# KiCad board button_grid.kicad_pcb
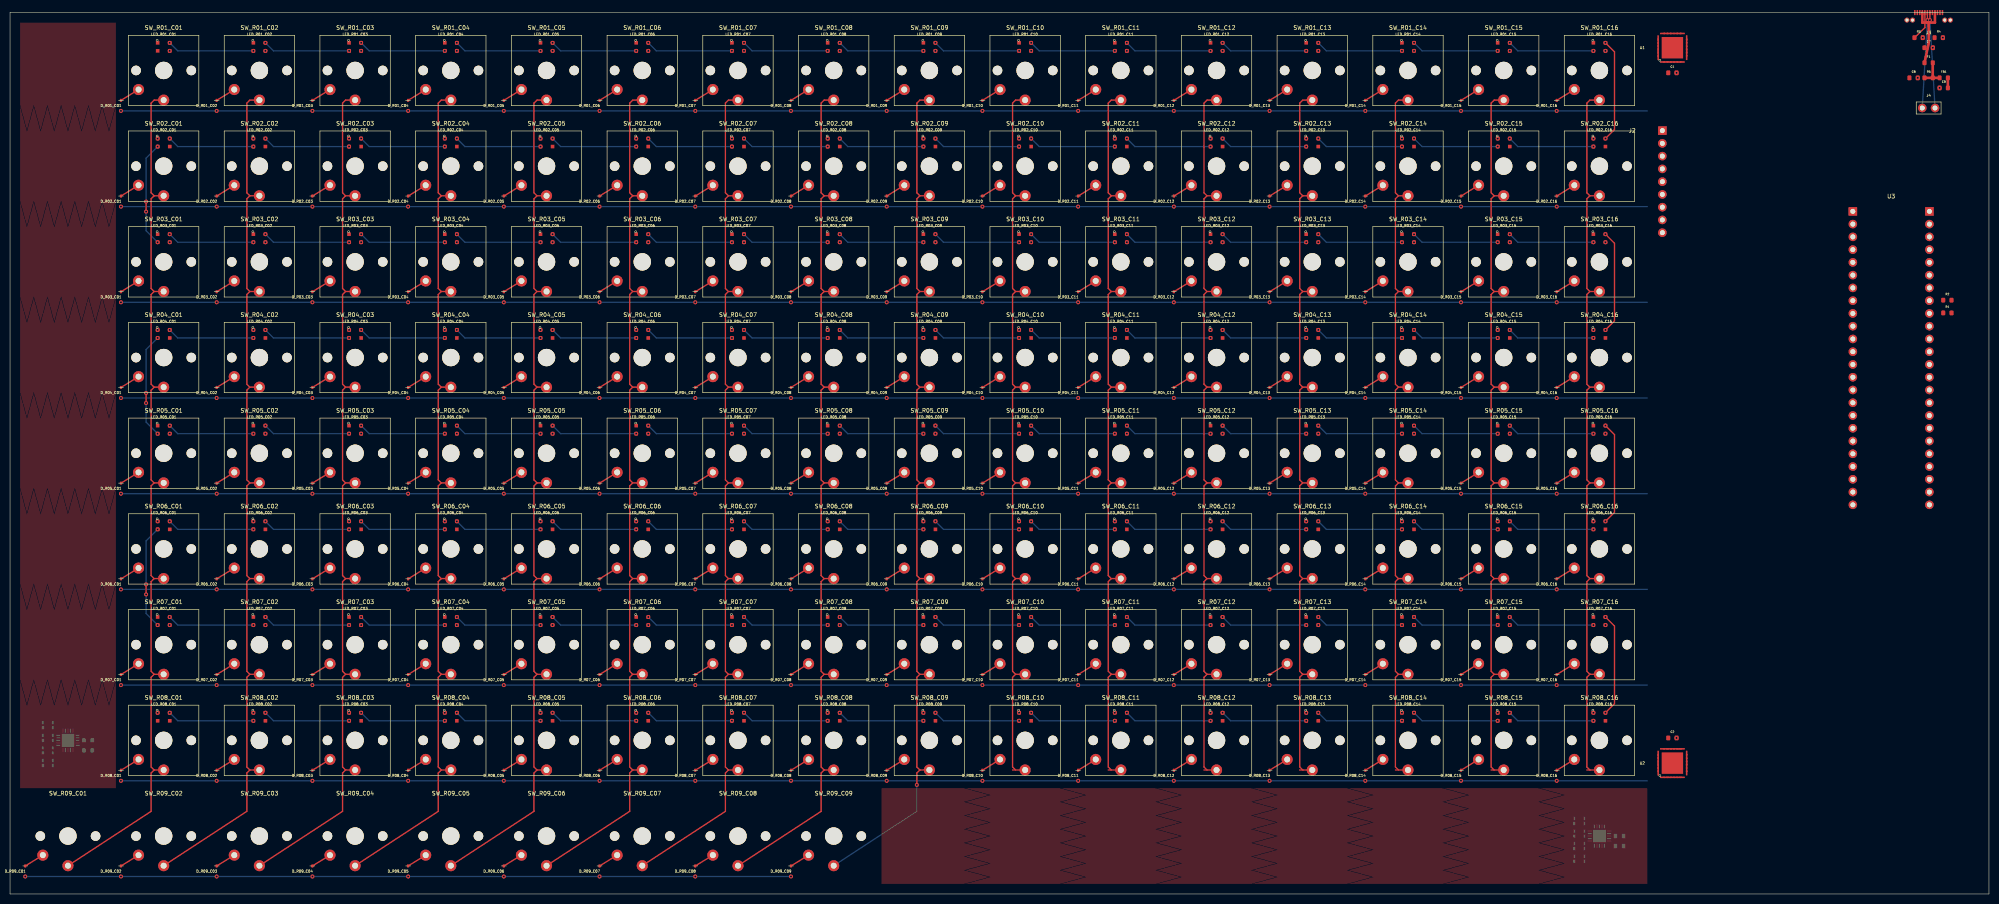
[diagram p0: board, top side]
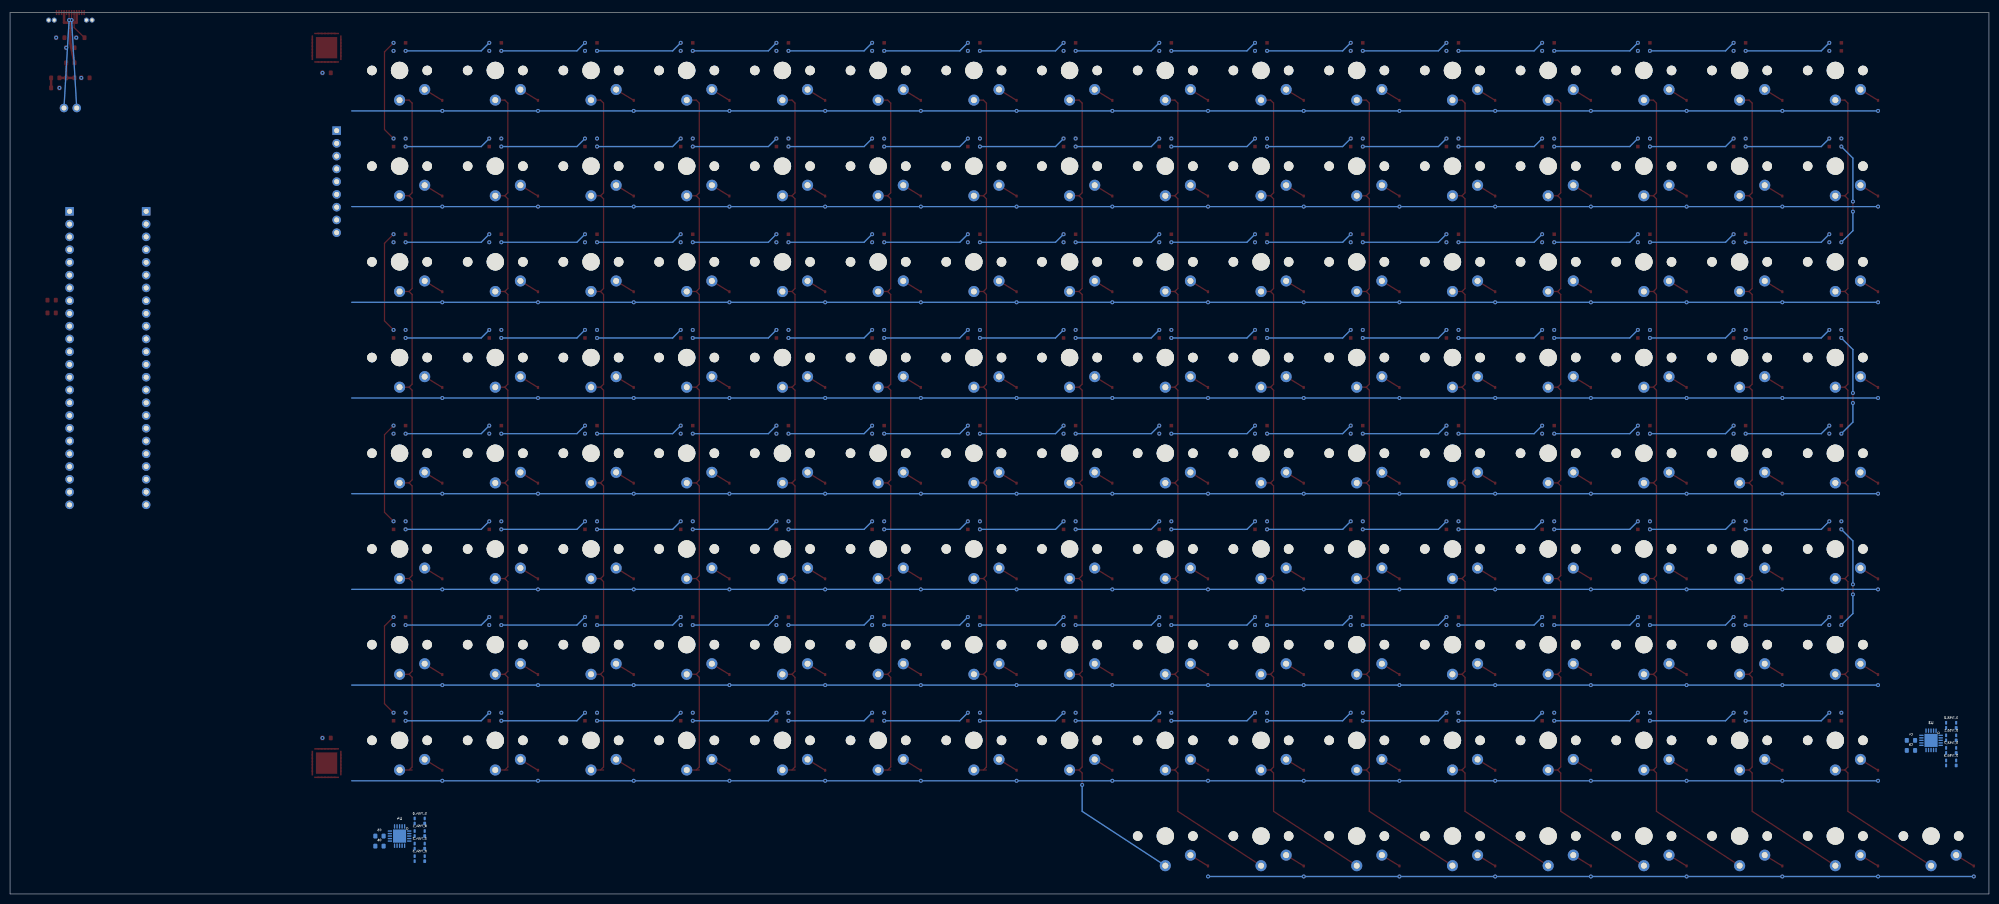
[diagram p1: board, bottom side, seen from below]

Outline 393.85 x 175.45 mm; copper layers: Top, Bottom. Coordinates in mm from the lower left corner of the outline.
Outline path: 0,175.45 393.85,175.45 393.85,0 0,0 0,175.45

## Placement (name value [footprint] x y rotation side)
C1  100nF  [C_0603]  330.85 163.45 0 top
C2  100nF  [C_0603]  330.85 31.05 0 top
C4  100nF  [C_0603]  15.53 30.57 0 bottom
C5  100nF  [C_0603]  320.32 11.52 0 bottom
C5#2  100nF  [C_0603]  15.53 28.57 0 bottom
C6  100nF  [C_0603]  320.32 9.52 0 bottom
C7  10uF  [C_0603]  381.85 168.45 0 top
C8  100uF  [C_0603]  378.85 162.45 0 top
C9  10uF  [C_0603]  384.85 160.45 0 top
D_R01_C01  1N4148W  [D_SOD-323]  22.07 156.92 0 top
D_R01_C02  1N4148W  [D_SOD-323]  41.12 156.92 0 top
D_R01_C03  1N4148W  [D_SOD-323]  60.17 156.92 0 top
D_R01_C04  1N4148W  [D_SOD-323]  79.22 156.92 0 top
D_R01_C05  1N4148W  [D_SOD-323]  98.28 156.92 0 top
D_R01_C06  1N4148W  [D_SOD-323]  117.33 156.92 0 top
D_R01_C07  1N4148W  [D_SOD-323]  136.38 156.92 0 top
D_R01_C08  1N4148W  [D_SOD-323]  155.43 156.92 0 top
D_R01_C09  1N4148W  [D_SOD-323]  174.47 156.92 0 top
D_R01_C10  1N4148W  [D_SOD-323]  193.53 156.92 0 top
D_R01_C11  1N4148W  [D_SOD-323]  212.57 156.92 0 top
D_R01_C12  1N4148W  [D_SOD-323]  231.62 156.92 0 top
D_R01_C13  1N4148W  [D_SOD-323]  250.68 156.92 0 top
D_R01_C14  1N4148W  [D_SOD-323]  269.73 156.92 0 top
D_R01_C15  1N4148W  [D_SOD-323]  288.77 156.92 0 top
D_R01_C16  1N4148W  [D_SOD-323]  307.82 156.92 0 top
D_R02_C01  1N4148W  [D_SOD-323]  22.07 137.88 0 top
D_R02_C02  1N4148W  [D_SOD-323]  41.12 137.88 0 top
D_R02_C03  1N4148W  [D_SOD-323]  60.17 137.88 0 top
D_R02_C04  1N4148W  [D_SOD-323]  79.22 137.88 0 top
D_R02_C05  1N4148W  [D_SOD-323]  98.28 137.88 0 top
D_R02_C06  1N4148W  [D_SOD-323]  117.33 137.88 0 top
D_R02_C07  1N4148W  [D_SOD-323]  136.38 137.88 0 top
D_R02_C08  1N4148W  [D_SOD-323]  155.43 137.88 0 top
D_R02_C09  1N4148W  [D_SOD-323]  174.47 137.88 0 top
D_R02_C10  1N4148W  [D_SOD-323]  193.53 137.88 0 top
D_R02_C11  1N4148W  [D_SOD-323]  212.57 137.88 0 top
D_R02_C12  1N4148W  [D_SOD-323]  231.62 137.88 0 top
D_R02_C13  1N4148W  [D_SOD-323]  250.68 137.88 0 top
D_R02_C14  1N4148W  [D_SOD-323]  269.73 137.88 0 top
D_R02_C15  1N4148W  [D_SOD-323]  288.77 137.88 0 top
D_R02_C16  1N4148W  [D_SOD-323]  307.82 137.88 0 top
D_R03_C01  1N4148W  [D_SOD-323]  22.07 118.82 0 top
D_R03_C02  1N4148W  [D_SOD-323]  41.12 118.82 0 top
D_R03_C03  1N4148W  [D_SOD-323]  60.17 118.82 0 top
D_R03_C04  1N4148W  [D_SOD-323]  79.22 118.82 0 top
D_R03_C05  1N4148W  [D_SOD-323]  98.28 118.82 0 top
D_R03_C06  1N4148W  [D_SOD-323]  117.33 118.82 0 top
D_R03_C07  1N4148W  [D_SOD-323]  136.38 118.82 0 top
D_R03_C08  1N4148W  [D_SOD-323]  155.43 118.82 0 top
D_R03_C09  1N4148W  [D_SOD-323]  174.47 118.82 0 top
D_R03_C10  1N4148W  [D_SOD-323]  193.53 118.82 0 top
D_R03_C11  1N4148W  [D_SOD-323]  212.57 118.82 0 top
D_R03_C12  1N4148W  [D_SOD-323]  231.62 118.82 0 top
D_R03_C13  1N4148W  [D_SOD-323]  250.68 118.82 0 top
D_R03_C14  1N4148W  [D_SOD-323]  269.73 118.82 0 top
D_R03_C15  1N4148W  [D_SOD-323]  288.77 118.82 0 top
D_R03_C16  1N4148W  [D_SOD-323]  307.82 118.82 0 top
D_R04_C01  1N4148W  [D_SOD-323]  22.07 99.77 0 top
D_R04_C02  1N4148W  [D_SOD-323]  41.12 99.77 0 top
D_R04_C03  1N4148W  [D_SOD-323]  60.17 99.77 0 top
D_R04_C04  1N4148W  [D_SOD-323]  79.22 99.77 0 top
D_R04_C05  1N4148W  [D_SOD-323]  98.28 99.77 0 top
D_R04_C06  1N4148W  [D_SOD-323]  117.33 99.77 0 top
D_R04_C07  1N4148W  [D_SOD-323]  136.38 99.77 0 top
D_R04_C08  1N4148W  [D_SOD-323]  155.43 99.77 0 top
D_R04_C09  1N4148W  [D_SOD-323]  174.47 99.77 0 top
D_R04_C10  1N4148W  [D_SOD-323]  193.53 99.77 0 top
D_R04_C11  1N4148W  [D_SOD-323]  212.57 99.77 0 top
D_R04_C12  1N4148W  [D_SOD-323]  231.62 99.77 0 top
D_R04_C13  1N4148W  [D_SOD-323]  250.68 99.77 0 top
D_R04_C14  1N4148W  [D_SOD-323]  269.73 99.77 0 top
D_R04_C15  1N4148W  [D_SOD-323]  288.77 99.77 0 top
D_R04_C16  1N4148W  [D_SOD-323]  307.82 99.77 0 top
D_R05_C01  1N4148W  [D_SOD-323]  22.07 80.72 0 top
D_R05_C02  1N4148W  [D_SOD-323]  41.12 80.72 0 top
D_R05_C03  1N4148W  [D_SOD-323]  60.17 80.72 0 top
D_R05_C04  1N4148W  [D_SOD-323]  79.22 80.72 0 top
D_R05_C05  1N4148W  [D_SOD-323]  98.28 80.72 0 top
D_R05_C06  1N4148W  [D_SOD-323]  117.33 80.72 0 top
D_R05_C07  1N4148W  [D_SOD-323]  136.38 80.72 0 top
D_R05_C08  1N4148W  [D_SOD-323]  155.43 80.72 0 top
D_R05_C09  1N4148W  [D_SOD-323]  174.47 80.72 0 top
D_R05_C10  1N4148W  [D_SOD-323]  193.53 80.72 0 top
D_R05_C11  1N4148W  [D_SOD-323]  212.57 80.72 0 top
D_R05_C12  1N4148W  [D_SOD-323]  231.62 80.72 0 top
D_R05_C13  1N4148W  [D_SOD-323]  250.68 80.72 0 top
D_R05_C14  1N4148W  [D_SOD-323]  269.73 80.72 0 top
D_R05_C15  1N4148W  [D_SOD-323]  288.77 80.72 0 top
D_R05_C16  1N4148W  [D_SOD-323]  307.82 80.72 0 top
D_R06_C01  1N4148W  [D_SOD-323]  22.07 61.67 0 top
D_R06_C02  1N4148W  [D_SOD-323]  41.12 61.67 0 top
D_R06_C03  1N4148W  [D_SOD-323]  60.17 61.67 0 top
D_R06_C04  1N4148W  [D_SOD-323]  79.22 61.67 0 top
D_R06_C05  1N4148W  [D_SOD-323]  98.28 61.67 0 top
D_R06_C06  1N4148W  [D_SOD-323]  117.33 61.67 0 top
D_R06_C07  1N4148W  [D_SOD-323]  136.38 61.67 0 top
D_R06_C08  1N4148W  [D_SOD-323]  155.43 61.67 0 top
D_R06_C09  1N4148W  [D_SOD-323]  174.47 61.67 0 top
D_R06_C10  1N4148W  [D_SOD-323]  193.53 61.67 0 top
D_R06_C11  1N4148W  [D_SOD-323]  212.57 61.67 0 top
D_R06_C12  1N4148W  [D_SOD-323]  231.62 61.67 0 top
D_R06_C13  1N4148W  [D_SOD-323]  250.68 61.67 0 top
D_R06_C14  1N4148W  [D_SOD-323]  269.73 61.67 0 top
D_R06_C15  1N4148W  [D_SOD-323]  288.77 61.67 0 top
D_R06_C16  1N4148W  [D_SOD-323]  307.82 61.67 0 top
D_R07_C01  1N4148W  [D_SOD-323]  22.07 42.62 0 top
D_R07_C02  1N4148W  [D_SOD-323]  41.12 42.62 0 top
D_R07_C03  1N4148W  [D_SOD-323]  60.17 42.62 0 top
D_R07_C04  1N4148W  [D_SOD-323]  79.22 42.62 0 top
D_R07_C05  1N4148W  [D_SOD-323]  98.28 42.62 0 top
D_R07_C06  1N4148W  [D_SOD-323]  117.33 42.62 0 top
D_R07_C07  1N4148W  [D_SOD-323]  136.38 42.62 0 top
D_R07_C08  1N4148W  [D_SOD-323]  155.43 42.62 0 top
D_R07_C09  1N4148W  [D_SOD-323]  174.47 42.62 0 top
D_R07_C10  1N4148W  [D_SOD-323]  193.53 42.62 0 top
D_R07_C11  1N4148W  [D_SOD-323]  212.57 42.62 0 top
D_R07_C12  1N4148W  [D_SOD-323]  231.62 42.62 0 top
D_R07_C13  1N4148W  [D_SOD-323]  250.68 42.62 0 top
D_R07_C14  1N4148W  [D_SOD-323]  269.73 42.62 0 top
D_R07_C15  1N4148W  [D_SOD-323]  288.77 42.62 0 top
D_R07_C16  1N4148W  [D_SOD-323]  307.82 42.62 0 top
D_R08_C01  1N4148W  [D_SOD-323]  22.07 23.57 0 top
D_R08_C02  1N4148W  [D_SOD-323]  41.12 23.57 0 top
D_R08_C03  1N4148W  [D_SOD-323]  60.17 23.57 0 top
D_R08_C04  1N4148W  [D_SOD-323]  79.22 23.57 0 top
D_R08_C05  1N4148W  [D_SOD-323]  98.28 23.57 0 top
D_R08_C06  1N4148W  [D_SOD-323]  117.33 23.57 0 top
D_R08_C07  1N4148W  [D_SOD-323]  136.38 23.57 0 top
D_R08_C08  1N4148W  [D_SOD-323]  155.43 23.57 0 top
D_R08_C09  1N4148W  [D_SOD-323]  174.47 23.57 0 top
D_R08_C10  1N4148W  [D_SOD-323]  193.53 23.57 0 top
D_R08_C11  1N4148W  [D_SOD-323]  212.57 23.57 0 top
D_R08_C12  1N4148W  [D_SOD-323]  231.62 23.57 0 top
D_R08_C13  1N4148W  [D_SOD-323]  250.68 23.57 0 top
D_R08_C14  1N4148W  [D_SOD-323]  269.73 23.57 0 top
D_R08_C15  1N4148W  [D_SOD-323]  288.77 23.57 0 top
D_R08_C16  1N4148W  [D_SOD-323]  307.82 23.57 0 top
D_R09_C01  -  [D_SOD-323]  3.02 4.52 0 top
D_R09_C02  -  [D_SOD-323]  22.07 4.52 0 top
D_R09_C03  -  [D_SOD-323]  41.12 4.52 0 top
D_R09_C04  -  [D_SOD-323]  60.17 4.52 0 top
D_R09_C05  -  [D_SOD-323]  79.22 4.52 0 top
D_R09_C06  -  [D_SOD-323]  98.28 4.52 0 top
D_R09_C07  -  [D_SOD-323]  117.33 4.52 0 top
D_R09_C08  -  [D_SOD-323]  136.38 4.52 0 top
D_R09_C09  -  [D_SOD-323]  155.43 4.52 0 top
D_TVS3_0  PRTR5V0U2X  [PRTR5V0U2X_SOT-143B]  7.53 33.57 0 bottom
D_TVS3_1  PRTR5V0U2X  [PRTR5V0U2X_SOT-143B]  7.53 31.07 0 bottom
D_TVS3_2  PRTR5V0U2X  [PRTR5V0U2X_SOT-143B]  7.53 28.57 0 bottom
D_TVS3_3  PRTR5V0U2X  [PRTR5V0U2X_SOT-143B]  7.53 26.07 0 bottom
D_TVS4_0  PRTR5V0U2X  [PRTR5V0U2X_SOT-143B]  312.32 14.52 0 bottom
D_TVS4_1  PRTR5V0U2X  [PRTR5V0U2X_SOT-143B]  312.32 12.02 0 bottom
D_TVS4_2  PRTR5V0U2X  [PRTR5V0U2X_SOT-143B]  312.32 9.52 0 bottom
D_TVS4_3  PRTR5V0U2X  [PRTR5V0U2X_SOT-143B]  312.32 7.02 0 bottom
F1  2A PTC  [R_0603]  381.85 165.45 0 top
FB1  600R@100MHz  [R_0603]  384.85 162.45 0 top
J2  TFT 2.4in  [ILI9341_2.4inch]  328.85 151.95 0 top
J3  USB-C  [USB_C_Mid_Mount]  381.85 175.45 0 top
J4  USB D+/D-  [USB_Dev_Pads]  381.85 156.45 0 top
LED_R01_C01  SK6812MINI-E  [SK6812MINI-E#2]  30.57 168.62 0 top
LED_R01_C02  SK6812MINI-E  [SK6812MINI-E#2]  49.62 168.62 0 top
LED_R01_C03  SK6812MINI-E  [SK6812MINI-E#2]  68.67 168.62 0 top
LED_R01_C04  SK6812MINI-E  [SK6812MINI-E#2]  87.72 168.62 0 top
LED_R01_C05  SK6812MINI-E  [SK6812MINI-E#2]  106.78 168.62 0 top
LED_R01_C06  SK6812MINI-E  [SK6812MINI-E#2]  125.83 168.62 0 top
LED_R01_C07  SK6812MINI-E  [SK6812MINI-E#2]  144.88 168.62 0 top
LED_R01_C08  SK6812MINI-E  [SK6812MINI-E#2]  163.93 168.62 0 top
LED_R01_C09  SK6812MINI-E  [SK6812MINI-E#2]  182.97 168.62 0 top
LED_R01_C10  SK6812MINI-E  [SK6812MINI-E#2]  202.03 168.62 0 top
LED_R01_C11  SK6812MINI-E  [SK6812MINI-E#2]  221.07 168.62 0 top
LED_R01_C12  SK6812MINI-E  [SK6812MINI-E#2]  240.12 168.62 0 top
LED_R01_C13  SK6812MINI-E  [SK6812MINI-E#2]  259.18 168.62 0 top
LED_R01_C14  SK6812MINI-E  [SK6812MINI-E#2]  278.23 168.62 0 top
LED_R01_C15  SK6812MINI-E  [SK6812MINI-E#2]  297.27 168.62 0 top
LED_R01_C16  SK6812MINI-E  [SK6812MINI-E#2]  316.32 168.62 0 top
LED_R02_C01  -  [SK6812MINI-E]  30.57 149.57 0 top
LED_R02_C02  -  [SK6812MINI-E]  49.62 149.57 0 top
LED_R02_C03  -  [SK6812MINI-E]  68.67 149.57 0 top
LED_R02_C04  -  [SK6812MINI-E]  87.72 149.57 0 top
LED_R02_C05  -  [SK6812MINI-E]  106.78 149.57 0 top
LED_R02_C06  -  [SK6812MINI-E]  125.83 149.57 0 top
LED_R02_C07  -  [SK6812MINI-E]  144.88 149.57 0 top
LED_R02_C08  -  [SK6812MINI-E]  163.93 149.57 0 top
LED_R02_C09  -  [SK6812MINI-E]  182.97 149.57 0 top
LED_R02_C10  -  [SK6812MINI-E]  202.03 149.57 0 top
LED_R02_C11  -  [SK6812MINI-E]  221.07 149.57 0 top
LED_R02_C12  -  [SK6812MINI-E]  240.12 149.57 0 top
LED_R02_C13  -  [SK6812MINI-E]  259.18 149.57 0 top
LED_R02_C14  -  [SK6812MINI-E]  278.23 149.57 0 top
LED_R02_C15  -  [SK6812MINI-E]  297.27 149.57 0 top
LED_R02_C16  -  [SK6812MINI-E]  316.32 149.57 0 top
LED_R03_C01  SK6812MINI-E  [SK6812MINI-E#2]  30.57 130.52 0 top
LED_R03_C02  SK6812MINI-E  [SK6812MINI-E#2]  49.62 130.52 0 top
LED_R03_C03  SK6812MINI-E  [SK6812MINI-E#2]  68.67 130.52 0 top
LED_R03_C04  SK6812MINI-E  [SK6812MINI-E#2]  87.72 130.52 0 top
LED_R03_C05  SK6812MINI-E  [SK6812MINI-E#2]  106.78 130.52 0 top
LED_R03_C06  SK6812MINI-E  [SK6812MINI-E#2]  125.83 130.52 0 top
LED_R03_C07  SK6812MINI-E  [SK6812MINI-E#2]  144.88 130.52 0 top
LED_R03_C08  SK6812MINI-E  [SK6812MINI-E#2]  163.93 130.52 0 top
LED_R03_C09  SK6812MINI-E  [SK6812MINI-E#2]  182.97 130.52 0 top
LED_R03_C10  SK6812MINI-E  [SK6812MINI-E#2]  202.03 130.52 0 top
LED_R03_C11  SK6812MINI-E  [SK6812MINI-E#2]  221.07 130.52 0 top
LED_R03_C12  SK6812MINI-E  [SK6812MINI-E#2]  240.12 130.52 0 top
LED_R03_C13  SK6812MINI-E  [SK6812MINI-E#2]  259.18 130.52 0 top
LED_R03_C14  SK6812MINI-E  [SK6812MINI-E#2]  278.23 130.52 0 top
LED_R03_C15  SK6812MINI-E  [SK6812MINI-E#2]  297.27 130.52 0 top
LED_R03_C16  SK6812MINI-E  [SK6812MINI-E#2]  316.32 130.52 0 top
LED_R04_C01  -  [SK6812MINI-E]  30.57 111.47 0 top
LED_R04_C02  -  [SK6812MINI-E]  49.62 111.47 0 top
LED_R04_C03  -  [SK6812MINI-E]  68.67 111.47 0 top
LED_R04_C04  -  [SK6812MINI-E]  87.72 111.47 0 top
LED_R04_C05  -  [SK6812MINI-E]  106.78 111.47 0 top
LED_R04_C06  -  [SK6812MINI-E]  125.83 111.47 0 top
LED_R04_C07  -  [SK6812MINI-E]  144.88 111.47 0 top
LED_R04_C08  -  [SK6812MINI-E]  163.93 111.47 0 top
LED_R04_C09  -  [SK6812MINI-E]  182.97 111.47 0 top
LED_R04_C10  -  [SK6812MINI-E]  202.03 111.47 0 top
LED_R04_C11  -  [SK6812MINI-E]  221.07 111.47 0 top
LED_R04_C12  -  [SK6812MINI-E]  240.12 111.47 0 top
LED_R04_C13  -  [SK6812MINI-E]  259.18 111.47 0 top
LED_R04_C14  -  [SK6812MINI-E]  278.23 111.47 0 top
LED_R04_C15  -  [SK6812MINI-E]  297.27 111.47 0 top
LED_R04_C16  -  [SK6812MINI-E]  316.32 111.47 0 top
LED_R05_C01  SK6812MINI-E  [SK6812MINI-E#2]  30.57 92.42 0 top
LED_R05_C02  SK6812MINI-E  [SK6812MINI-E#2]  49.62 92.42 0 top
LED_R05_C03  SK6812MINI-E  [SK6812MINI-E#2]  68.67 92.42 0 top
LED_R05_C04  SK6812MINI-E  [SK6812MINI-E#2]  87.72 92.42 0 top
LED_R05_C05  SK6812MINI-E  [SK6812MINI-E#2]  106.78 92.42 0 top
LED_R05_C06  SK6812MINI-E  [SK6812MINI-E#2]  125.83 92.42 0 top
LED_R05_C07  SK6812MINI-E  [SK6812MINI-E#2]  144.88 92.42 0 top
LED_R05_C08  SK6812MINI-E  [SK6812MINI-E#2]  163.93 92.42 0 top
LED_R05_C09  SK6812MINI-E  [SK6812MINI-E#2]  182.97 92.42 0 top
LED_R05_C10  SK6812MINI-E  [SK6812MINI-E#2]  202.03 92.42 0 top
LED_R05_C11  SK6812MINI-E  [SK6812MINI-E#2]  221.07 92.42 0 top
LED_R05_C12  SK6812MINI-E  [SK6812MINI-E#2]  240.12 92.42 0 top
LED_R05_C13  SK6812MINI-E  [SK6812MINI-E#2]  259.18 92.42 0 top
LED_R05_C14  SK6812MINI-E  [SK6812MINI-E#2]  278.23 92.42 0 top
LED_R05_C15  SK6812MINI-E  [SK6812MINI-E#2]  297.27 92.42 0 top
LED_R05_C16  SK6812MINI-E  [SK6812MINI-E#2]  316.32 92.42 0 top
LED_R06_C01  -  [SK6812MINI-E]  30.57 73.37 0 top
LED_R06_C02  -  [SK6812MINI-E]  49.62 73.37 0 top
LED_R06_C03  -  [SK6812MINI-E]  68.67 73.37 0 top
LED_R06_C04  -  [SK6812MINI-E]  87.72 73.37 0 top
LED_R06_C05  -  [SK6812MINI-E]  106.78 73.37 0 top
LED_R06_C06  -  [SK6812MINI-E]  125.83 73.37 0 top
LED_R06_C07  -  [SK6812MINI-E]  144.88 73.37 0 top
LED_R06_C08  -  [SK6812MINI-E]  163.93 73.37 0 top
LED_R06_C09  -  [SK6812MINI-E]  182.97 73.37 0 top
LED_R06_C10  -  [SK6812MINI-E]  202.03 73.37 0 top
LED_R06_C11  -  [SK6812MINI-E]  221.07 73.37 0 top
LED_R06_C12  -  [SK6812MINI-E]  240.12 73.37 0 top
LED_R06_C13  -  [SK6812MINI-E]  259.18 73.37 0 top
LED_R06_C14  -  [SK6812MINI-E]  278.23 73.37 0 top
LED_R06_C15  -  [SK6812MINI-E]  297.27 73.37 0 top
LED_R06_C16  -  [SK6812MINI-E]  316.32 73.37 0 top
LED_R07_C01  SK6812MINI-E  [SK6812MINI-E#2]  30.57 54.32 0 top
LED_R07_C02  SK6812MINI-E  [SK6812MINI-E#2]  49.62 54.32 0 top
LED_R07_C03  SK6812MINI-E  [SK6812MINI-E#2]  68.67 54.32 0 top
LED_R07_C04  SK6812MINI-E  [SK6812MINI-E#2]  87.72 54.32 0 top
LED_R07_C05  SK6812MINI-E  [SK6812MINI-E#2]  106.78 54.32 0 top
LED_R07_C06  SK6812MINI-E  [SK6812MINI-E#2]  125.83 54.32 0 top
LED_R07_C07  SK6812MINI-E  [SK6812MINI-E#2]  144.88 54.32 0 top
LED_R07_C08  SK6812MINI-E  [SK6812MINI-E#2]  163.93 54.32 0 top
LED_R07_C09  SK6812MINI-E  [SK6812MINI-E#2]  182.97 54.32 0 top
LED_R07_C10  SK6812MINI-E  [SK6812MINI-E#2]  202.03 54.32 0 top
LED_R07_C11  SK6812MINI-E  [SK6812MINI-E#2]  221.07 54.32 0 top
LED_R07_C12  SK6812MINI-E  [SK6812MINI-E#2]  240.12 54.32 0 top
LED_R07_C13  SK6812MINI-E  [SK6812MINI-E#2]  259.18 54.32 0 top
LED_R07_C14  SK6812MINI-E  [SK6812MINI-E#2]  278.23 54.32 0 top
LED_R07_C15  SK6812MINI-E  [SK6812MINI-E#2]  297.27 54.32 0 top
LED_R07_C16  SK6812MINI-E  [SK6812MINI-E#2]  316.32 54.32 0 top
LED_R08_C01  -  [SK6812MINI-E]  30.57 35.27 0 top
LED_R08_C02  -  [SK6812MINI-E]  49.62 35.27 0 top
LED_R08_C03  -  [SK6812MINI-E]  68.67 35.27 0 top
LED_R08_C04  -  [SK6812MINI-E]  87.72 35.27 0 top
LED_R08_C05  -  [SK6812MINI-E]  106.78 35.27 0 top
LED_R08_C06  -  [SK6812MINI-E]  125.83 35.27 0 top
LED_R08_C07  -  [SK6812MINI-E]  144.88 35.27 0 top
LED_R08_C08  -  [SK6812MINI-E]  163.93 35.27 0 top
LED_R08_C09  -  [SK6812MINI-E]  182.97 35.27 0 top
LED_R08_C10  -  [SK6812MINI-E]  202.03 35.27 0 top
LED_R08_C11  -  [SK6812MINI-E]  221.07 35.27 0 top
LED_R08_C12  -  [SK6812MINI-E]  240.12 35.27 0 top
LED_R08_C13  -  [SK6812MINI-E]  259.18 35.27 0 top
LED_R08_C14  -  [SK6812MINI-E]  278.23 35.27 0 top
LED_R08_C15  -  [SK6812MINI-E]  297.27 35.27 0 top
LED_R08_C16  -  [SK6812MINI-E]  316.32 35.27 0 top
R1  4.7k  [R_0603]  385.57 115.66 0 top
R2  4.7k  [R_0603]  385.57 118.2 0 top
R3  5.1k  [R_0603]  379.85 170.45 0 top
R4  5.1k  [R_0603]  383.85 170.45 0 top
R5  0R  [R_0603]  381.85 162.45 0 top
SW_R01_C01  PG1350  [Kailh_Choc_V1]  30.57 163.92 0 top
SW_R01_C02  PG1350  [Kailh_Choc_V1]  49.62 163.92 0 top
SW_R01_C03  PG1350  [Kailh_Choc_V1]  68.67 163.92 0 top
SW_R01_C04  PG1350  [Kailh_Choc_V1]  87.72 163.92 0 top
SW_R01_C05  PG1350  [Kailh_Choc_V1]  106.78 163.92 0 top
SW_R01_C06  PG1350  [Kailh_Choc_V1]  125.83 163.92 0 top
SW_R01_C07  PG1350  [Kailh_Choc_V1]  144.88 163.92 0 top
SW_R01_C08  PG1350  [Kailh_Choc_V1]  163.93 163.92 0 top
SW_R01_C09  PG1350  [Kailh_Choc_V1]  182.97 163.92 0 top
SW_R01_C10  PG1350  [Kailh_Choc_V1]  202.03 163.92 0 top
SW_R01_C11  PG1350  [Kailh_Choc_V1]  221.07 163.92 0 top
SW_R01_C12  PG1350  [Kailh_Choc_V1]  240.12 163.92 0 top
SW_R01_C13  PG1350  [Kailh_Choc_V1]  259.18 163.92 0 top
SW_R01_C14  PG1350  [Kailh_Choc_V1]  278.23 163.92 0 top
SW_R01_C15  PG1350  [Kailh_Choc_V1]  297.27 163.92 0 top
SW_R01_C16  PG1350  [Kailh_Choc_V1]  316.32 163.92 0 top
SW_R02_C01  PG1350  [Kailh_Choc_V1]  30.57 144.88 0 top
SW_R02_C02  PG1350  [Kailh_Choc_V1]  49.62 144.88 0 top
SW_R02_C03  PG1350  [Kailh_Choc_V1]  68.67 144.88 0 top
SW_R02_C04  PG1350  [Kailh_Choc_V1]  87.72 144.88 0 top
SW_R02_C05  PG1350  [Kailh_Choc_V1]  106.78 144.88 0 top
SW_R02_C06  PG1350  [Kailh_Choc_V1]  125.83 144.88 0 top
SW_R02_C07  PG1350  [Kailh_Choc_V1]  144.88 144.88 0 top
SW_R02_C08  PG1350  [Kailh_Choc_V1]  163.93 144.88 0 top
SW_R02_C09  PG1350  [Kailh_Choc_V1]  182.97 144.88 0 top
SW_R02_C10  PG1350  [Kailh_Choc_V1]  202.03 144.88 0 top
SW_R02_C11  PG1350  [Kailh_Choc_V1]  221.07 144.88 0 top
SW_R02_C12  PG1350  [Kailh_Choc_V1]  240.12 144.88 0 top
SW_R02_C13  PG1350  [Kailh_Choc_V1]  259.18 144.88 0 top
SW_R02_C14  PG1350  [Kailh_Choc_V1]  278.23 144.88 0 top
SW_R02_C15  PG1350  [Kailh_Choc_V1]  297.27 144.88 0 top
SW_R02_C16  PG1350  [Kailh_Choc_V1]  316.32 144.88 0 top
SW_R03_C01  PG1350  [Kailh_Choc_V1]  30.57 125.82 0 top
SW_R03_C02  PG1350  [Kailh_Choc_V1]  49.62 125.82 0 top
SW_R03_C03  PG1350  [Kailh_Choc_V1]  68.67 125.82 0 top
SW_R03_C04  PG1350  [Kailh_Choc_V1]  87.72 125.82 0 top
SW_R03_C05  PG1350  [Kailh_Choc_V1]  106.78 125.82 0 top
SW_R03_C06  PG1350  [Kailh_Choc_V1]  125.83 125.82 0 top
SW_R03_C07  PG1350  [Kailh_Choc_V1]  144.88 125.82 0 top
SW_R03_C08  PG1350  [Kailh_Choc_V1]  163.93 125.82 0 top
SW_R03_C09  PG1350  [Kailh_Choc_V1]  182.97 125.82 0 top
SW_R03_C10  PG1350  [Kailh_Choc_V1]  202.03 125.82 0 top
SW_R03_C11  PG1350  [Kailh_Choc_V1]  221.07 125.82 0 top
SW_R03_C12  PG1350  [Kailh_Choc_V1]  240.12 125.82 0 top
SW_R03_C13  PG1350  [Kailh_Choc_V1]  259.18 125.82 0 top
SW_R03_C14  PG1350  [Kailh_Choc_V1]  278.23 125.82 0 top
SW_R03_C15  PG1350  [Kailh_Choc_V1]  297.27 125.82 0 top
SW_R03_C16  PG1350  [Kailh_Choc_V1]  316.32 125.82 0 top
SW_R04_C01  PG1350  [Kailh_Choc_V1]  30.57 106.77 0 top
SW_R04_C02  PG1350  [Kailh_Choc_V1]  49.62 106.77 0 top
SW_R04_C03  PG1350  [Kailh_Choc_V1]  68.67 106.77 0 top
SW_R04_C04  PG1350  [Kailh_Choc_V1]  87.72 106.77 0 top
SW_R04_C05  PG1350  [Kailh_Choc_V1]  106.78 106.77 0 top
SW_R04_C06  PG1350  [Kailh_Choc_V1]  125.83 106.77 0 top
SW_R04_C07  PG1350  [Kailh_Choc_V1]  144.88 106.77 0 top
SW_R04_C08  PG1350  [Kailh_Choc_V1]  163.93 106.77 0 top
SW_R04_C09  PG1350  [Kailh_Choc_V1]  182.97 106.77 0 top
SW_R04_C10  PG1350  [Kailh_Choc_V1]  202.03 106.77 0 top
SW_R04_C11  PG1350  [Kailh_Choc_V1]  221.07 106.77 0 top
SW_R04_C12  PG1350  [Kailh_Choc_V1]  240.12 106.77 0 top
SW_R04_C13  PG1350  [Kailh_Choc_V1]  259.18 106.77 0 top
SW_R04_C14  PG1350  [Kailh_Choc_V1]  278.23 106.77 0 top
SW_R04_C15  PG1350  [Kailh_Choc_V1]  297.27 106.77 0 top
SW_R04_C16  PG1350  [Kailh_Choc_V1]  316.32 106.77 0 top
SW_R05_C01  PG1350  [Kailh_Choc_V1]  30.57 87.72 0 top
SW_R05_C02  PG1350  [Kailh_Choc_V1]  49.62 87.72 0 top
SW_R05_C03  PG1350  [Kailh_Choc_V1]  68.67 87.72 0 top
SW_R05_C04  PG1350  [Kailh_Choc_V1]  87.72 87.72 0 top
SW_R05_C05  PG1350  [Kailh_Choc_V1]  106.78 87.72 0 top
SW_R05_C06  PG1350  [Kailh_Choc_V1]  125.83 87.72 0 top
SW_R05_C07  PG1350  [Kailh_Choc_V1]  144.88 87.72 0 top
SW_R05_C08  PG1350  [Kailh_Choc_V1]  163.93 87.72 0 top
SW_R05_C09  PG1350  [Kailh_Choc_V1]  182.97 87.72 0 top
SW_R05_C10  PG1350  [Kailh_Choc_V1]  202.03 87.72 0 top
SW_R05_C11  PG1350  [Kailh_Choc_V1]  221.07 87.72 0 top
SW_R05_C12  PG1350  [Kailh_Choc_V1]  240.12 87.72 0 top
SW_R05_C13  PG1350  [Kailh_Choc_V1]  259.18 87.72 0 top
SW_R05_C14  PG1350  [Kailh_Choc_V1]  278.23 87.72 0 top
SW_R05_C15  PG1350  [Kailh_Choc_V1]  297.27 87.72 0 top
SW_R05_C16  PG1350  [Kailh_Choc_V1]  316.32 87.72 0 top
SW_R06_C01  PG1350  [Kailh_Choc_V1]  30.57 68.67 0 top
SW_R06_C02  PG1350  [Kailh_Choc_V1]  49.62 68.67 0 top
SW_R06_C03  PG1350  [Kailh_Choc_V1]  68.67 68.67 0 top
SW_R06_C04  PG1350  [Kailh_Choc_V1]  87.72 68.67 0 top
SW_R06_C05  PG1350  [Kailh_Choc_V1]  106.78 68.67 0 top
SW_R06_C06  PG1350  [Kailh_Choc_V1]  125.83 68.67 0 top
SW_R06_C07  PG1350  [Kailh_Choc_V1]  144.88 68.67 0 top
SW_R06_C08  PG1350  [Kailh_Choc_V1]  163.93 68.67 0 top
SW_R06_C09  PG1350  [Kailh_Choc_V1]  182.97 68.67 0 top
SW_R06_C10  PG1350  [Kailh_Choc_V1]  202.03 68.67 0 top
SW_R06_C11  PG1350  [Kailh_Choc_V1]  221.07 68.67 0 top
SW_R06_C12  PG1350  [Kailh_Choc_V1]  240.12 68.67 0 top
SW_R06_C13  PG1350  [Kailh_Choc_V1]  259.18 68.67 0 top
SW_R06_C14  PG1350  [Kailh_Choc_V1]  278.23 68.67 0 top
SW_R06_C15  PG1350  [Kailh_Choc_V1]  297.27 68.67 0 top
SW_R06_C16  PG1350  [Kailh_Choc_V1]  316.32 68.67 0 top
SW_R07_C01  PG1350  [Kailh_Choc_V1]  30.57 49.62 0 top
SW_R07_C02  PG1350  [Kailh_Choc_V1]  49.62 49.62 0 top
SW_R07_C03  PG1350  [Kailh_Choc_V1]  68.67 49.62 0 top
SW_R07_C04  PG1350  [Kailh_Choc_V1]  87.72 49.62 0 top
SW_R07_C05  PG1350  [Kailh_Choc_V1]  106.78 49.62 0 top
SW_R07_C06  PG1350  [Kailh_Choc_V1]  125.83 49.62 0 top
SW_R07_C07  PG1350  [Kailh_Choc_V1]  144.88 49.62 0 top